# KiCad board SmartSpin2k_Panelized.kicad_pcb (continued)
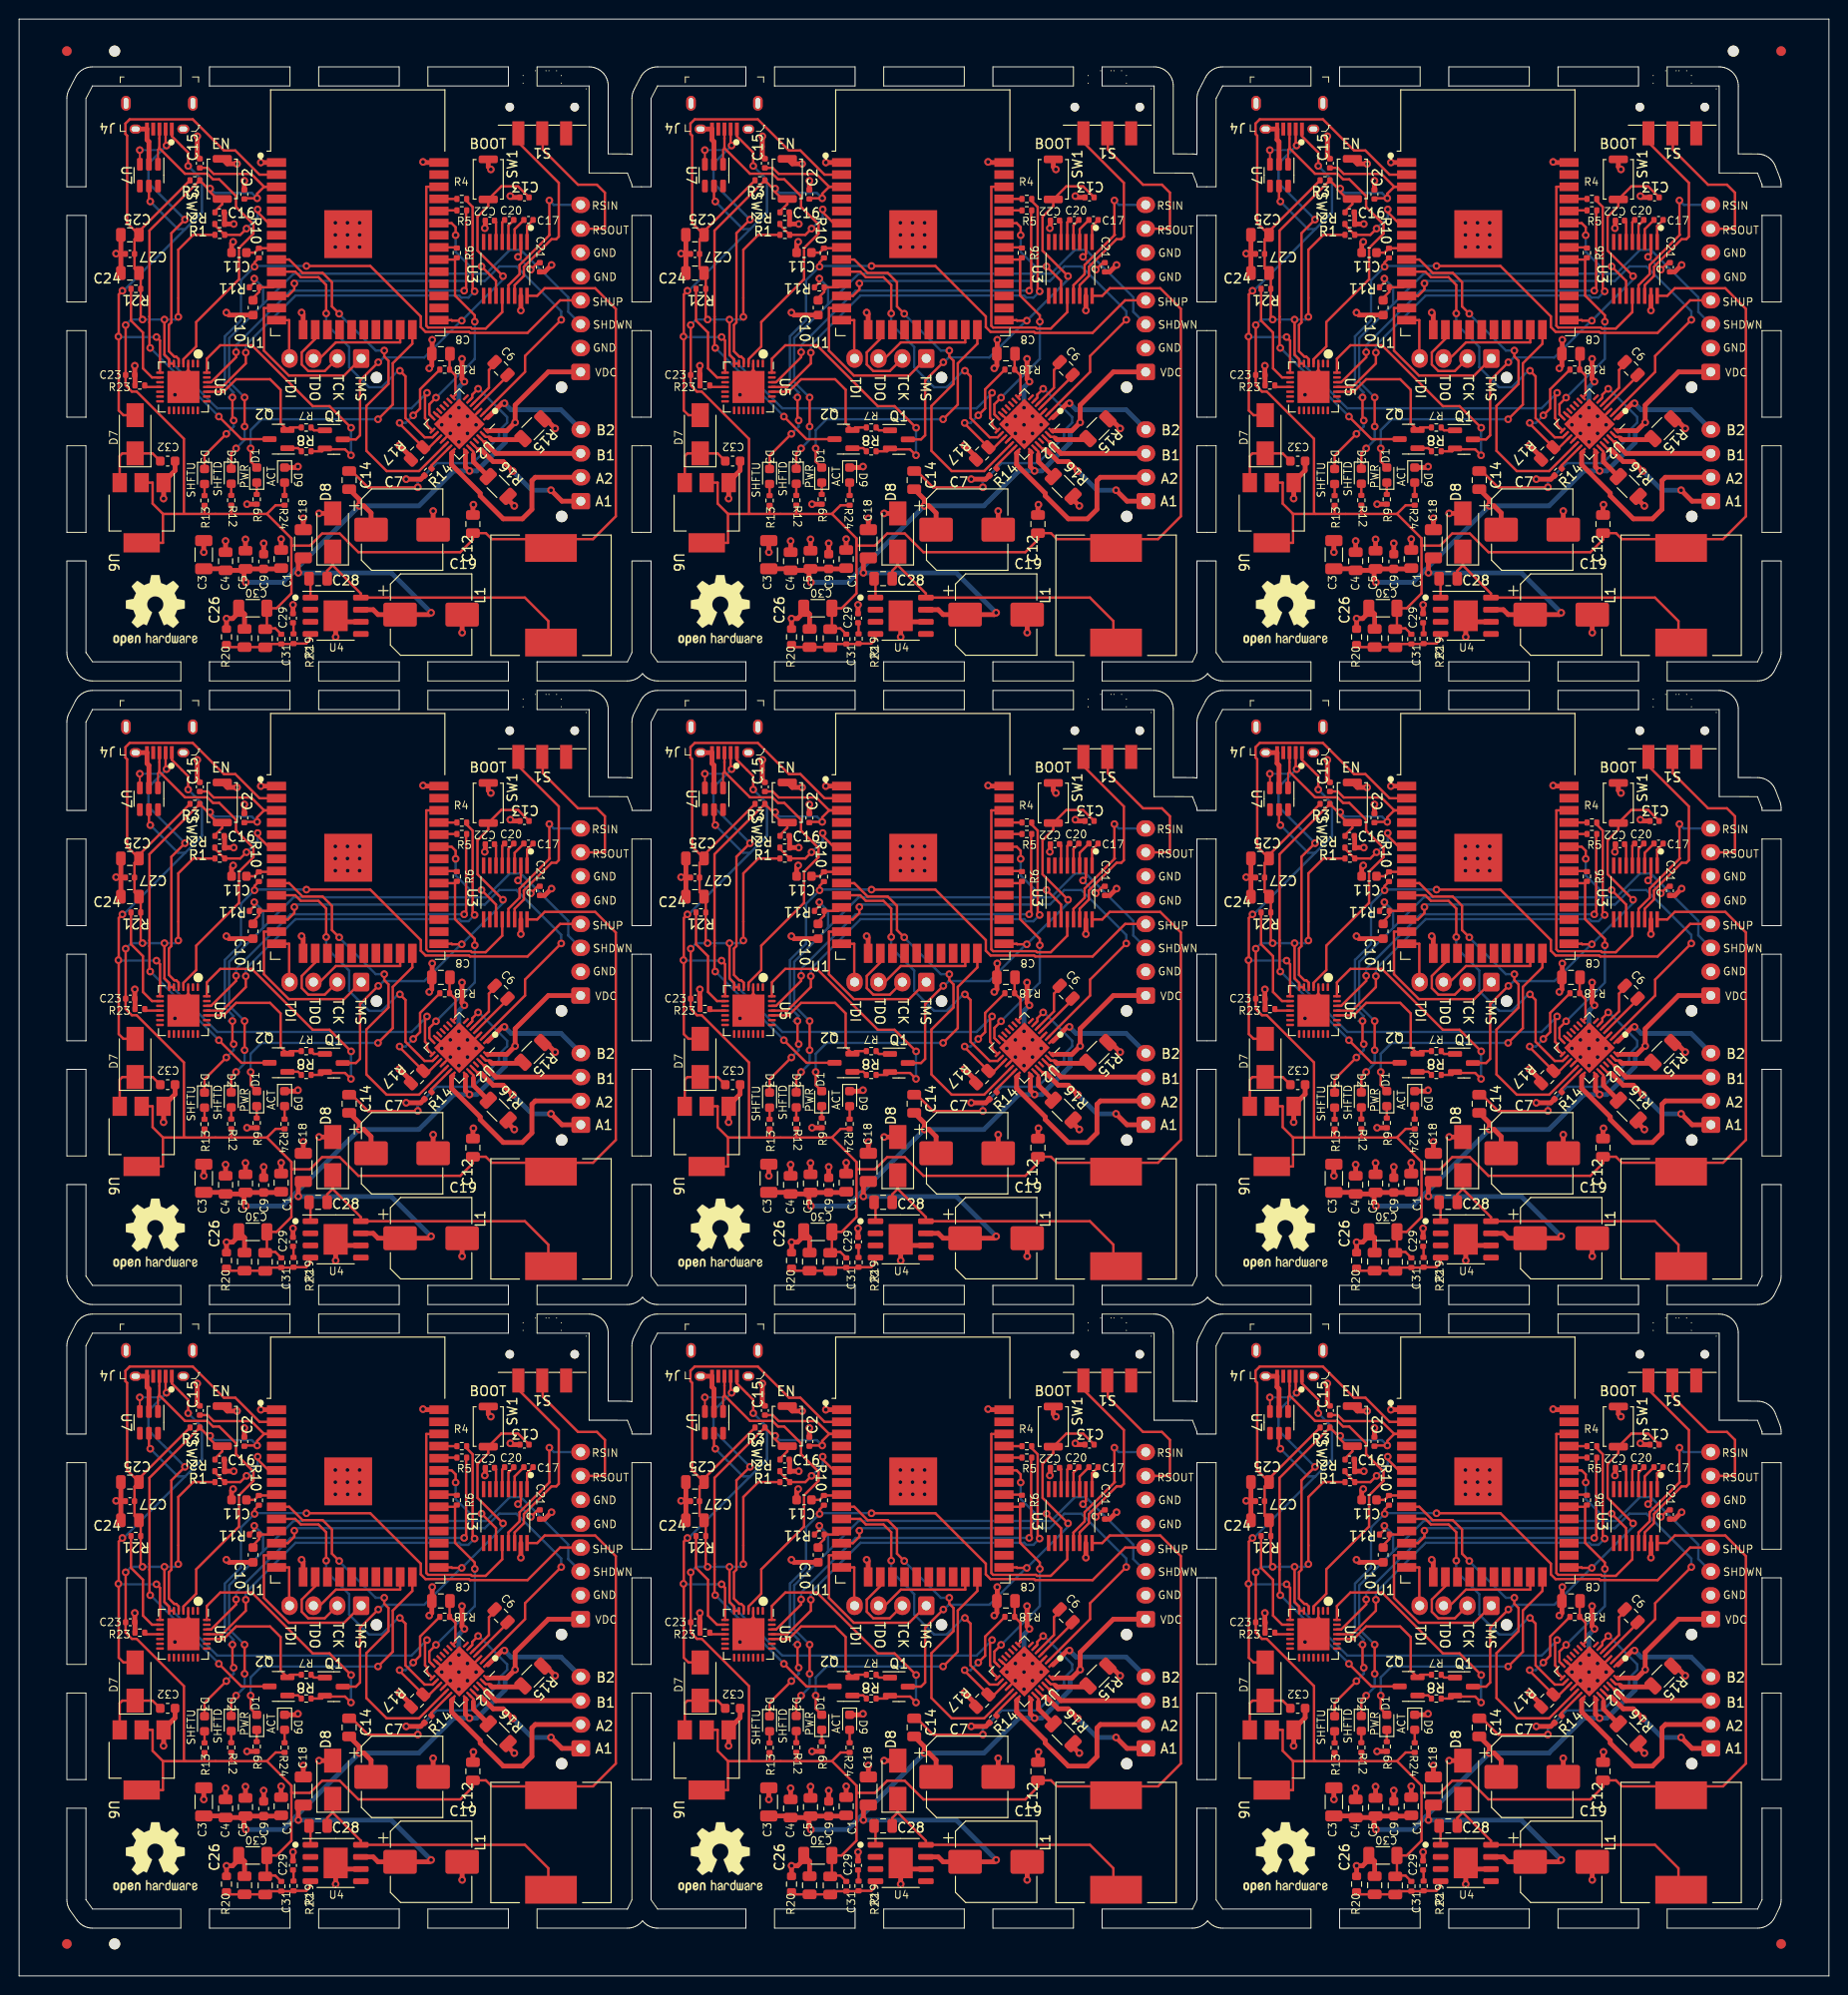
[diagram p0: board, top side]
## Nets (continued)
Board_6-/3V3: C12#7.1 C23#2.1 C24#5.2 C25#5.1 C27#3.1 C30#7.1 C31#4.2 L1#4.2 R1#9.1 R3#6.1 R12#4.2 R13#4.1 R21#7.1 R22.2 R24#8.2 U1#5.2 U2#7.15 U3#8.16 U5.6 U5.7 U6#9.2
Board_6-/5V: C8#5.1 R18#7.1 U2#7.8
Board_6-/VBUS: D7#2.2 J4#6.1 U5.8 U7#7.5
Board_7-/3V3: C12.1 C23.1 C24.2 C25#9.1 C27#9.1 C30#8.1 C31#9.2 L1#8.2 R1#5.1 R3#7.1 R12#7.2 R13#3.1 R21#9.1 R22#7.2 R24#2.2 U1#9.2 U2#9.15 U3.16 U5#4.6 U5#4.7 U6#4.2
Board_7-/5V: C8#7.1 R18#8.1 U2#9.8
Board_7-/VBUS: D7#7.2 J4.1 U5#4.8 U7#8.5
Board_8-/3V3: C12#3.1 C23#5.1 C24#2.2 C25#6.1 C27#5.1 C30#6.1 C31#6.2 L1#7.2 R1#7.1 R3#8.1 R12#9.2 R13.1 R21#4.1 R22#4.2 R24#3.2 U1#6.2 U2#4.15 U3#2.16 U5#5.6 U5#5.7 U6#7.2
Board_8-/5V: C8#4.1 R18#6.1 U2#4.8
Board_8-/VBUS: D7#3.2 J4#7.1 U5#5.8 U7.5
Board_0-/A1: J1.1 U2#2.24
Board_0-/A2: J1.2 U2#2.21
Board_0-/B1: J1.3 U2#2.26
Board_0-/B2: J1.4 U2#2.1
Board_0-/BRA: R16#7.2 U2#2.23
Board_0-/BRB: R15#7.2 U2#2.27
Board_0-/D+: J4#9.3 U5#8.4 U7#4.1
Board_0-/D-: J4#9.2 U5#8.5 U7#4.3
Board_0-/DriverDIR: U1#2.9 U2#2.19
Board_0-/DriverEN: U1#2.12 U2#2.2
Board_0-/DriverSTEP: U1#2.10 U2#2.16
Board_0-/DTR: Q1#3.2 R8#3.1 U5#8.28
Board_0-/EN: C2#8.1 C15#4.1 C16#9.1 Q2.3 R3#4.2 SW2#7.2 U1#2.3
Board_0-/IO0_BOOT: C13.1 Q1#3.3 SW1#5.1 U1#2.25
Board_0-/R1OUT: U1#2.36 U3#9.12
Board_0-/REG_5V: C32#4.2 D7.1 U6#3.3
Board_0-/RS232IN1: J3#2.8 U3#9.13
Board_0-/RS232OUT1: J3#2.7 S1#9.2
Board_0-/RTS: Q2.2 R7#7.2 U5#8.24
Board_0-/RXD0: R5.2 U5#8.26
Board_0-/ShiftDown: D2#2.1 J3#2.3 R11#4.2
Board_0-/ShiftUp: D3#3.1 J3#2.4 R10#6.2
Board_0-/T1IN: U1#2.33 U3#9.11
Board_0-/TMCUART1: R6#2.1 U1#2.30 U2#2.14
Board_0-/TMCUART2: R6#2.2 U1#2.31
Board_0-/TXD0: R4.2 U5#8.25
Board_0-/VDC: C1#5.1 C3#8.1 C4#8.1 C5#5.1 C7#5.1 C9#8.1 C14#4.1 C18#4.1 C19#4.1 J3#2.1 U2#2.22 U2#2.28 U4#9.7
Board_0-GND: C1#5.2 C2#8.2 C3#8.2 C4#8.2 C5#5.2 C7#5.2 C8#6.2 C9#8.2 C10#5.2 C11#7.2 C12#8.2 C13.2 C15#4.2 C16#9.2 C18#4.2 C19#4.2 C21#9.2 C22#7.2 C23#8.2 C24#7.1 C25#2.2 C26#7.2 C27.2 C29#7.2 C30#9.2 C32#4.1 D8.2 D9#6.1 J3#2.2 J3#2.5 J3#2.6 J4#9.5 J4#9.SH R2#9.1 R9#9.1 R14.1 R15#7.1 R16#7.1 R17#5.2 R20#2.2 R23#3.1 SW1#5.2 SW2#7.1 U1#2.1 U1#2.15 U1#2.38 U1#2.39 U2#2.3 U2#2.13 U2#2.18 U2#2.29 U3#9.15 U4#9.6 U4#9.9 U5#8.3 U5#8.29 U6#3.1 U7#4.2
Board_0-Net-(C6-Pad1): C6#4.1 U2#2.5
Board_0-Net-(C6-Pad2): C6#4.2 U2#2.4
Board_0-Net-(C10-Pad1): C10#5.1 R11#4.1 U1#2.11
Board_0-Net-(C11-Pad1): C11#7.1 R10#6.1 U1#2.8
Board_0-Net-(C14-Pad2): C14#4.2 U2#2.6
Board_0-Net-(C17-Pad1): C17#6.1 U3#9.3
Board_0-Net-(C17-Pad2): C17#6.2 U3#9.1
Board_0-Net-(C20-Pad1): C20#7.1 U3#9.5
Board_0-Net-(C20-Pad2): C20#7.2 U3#9.4
Board_0-Net-(C21-Pad1): C21#9.1 U3#9.2
Board_0-Net-(C22-Pad1): C22#7.1 U3#9.6
Board_0-Net-(C26-Pad1): C26#7.1 C31#8.1 R19#2.1 R20#2.1 R22#9.1 U4#9.4
Board_0-Net-(C28-Pad1): C28#7.1 U4#9.1
Board_0-Net-(C28-Pad2): C28#7.2 D8.1 L1#2.1 U4#9.8
Board_0-Net-(C29-Pad1): C29#7.1 R19#2.2
Board_0-Net-(D1-Pad1): D1#8.1 R9#9.2
Board_0-Net-(D1-Pad2): D1#8.2 U1#2.24
Board_0-Net-(D2-Pad2): D2#2.2 R12.1
Board_0-Net-(D3-Pad2): D3#3.2 R13#2.2
Board_0-Net-(D9-Pad2): D9#6.2 R24#4.1
Board_0-Net-(J2-Pad1): J2#7.1 U1#2.13
Board_0-Net-(J2-Pad2): J2#7.2 U1#2.16
Board_0-Net-(J2-Pad3): J2#7.3 U1#2.23
Board_0-Net-(J2-Pad4): J2#7.4 U1#2.14
Board_0-Net-(Q1-Pad1): Q1#3.1 R7#7.1
Board_0-Net-(Q2-Pad1): Q2.1 R8#3.2
Board_0-Net-(R1-Pad2): R1#2.2 R2#9.2 U1#2.6
Board_0-Net-(R4-Pad1): R4.1 U1#2.35
Board_0-Net-(R5-Pad1): R5.1 U1#2.34
Board_0-Net-(R14-Pad2): R14.2 U2#2.20
Board_0-Net-(R17-Pad1): R17#5.1 R18#9.2 U2#2.17
Board_0-Net-(R21-Pad2): R21.2 U5#8.9
Board_0-Net-(R23-Pad2): R23#3.2 U5#8.11
Board_0-Net-(S1-Pad3): S1#9.3 U3#9.14
Board_0-unconnected-(J4-Pad4): J4#9.4
Board_0-unconnected-(S1-Pad1): S1#9.1
Board_0-unconnected-(U1-Pad4): U1#2.4
Board_0-unconnected-(U1-Pad5): U1#2.5
Board_0-unconnected-(U1-Pad7): U1#2.7
Board_0-unconnected-(U1-Pad17): U1#2.17
Board_0-unconnected-(U1-Pad18): U1#2.18
Board_0-unconnected-(U1-Pad19): U1#2.19
Board_0-unconnected-(U1-Pad20): U1#2.20
Board_0-unconnected-(U1-Pad21): U1#2.21
Board_0-unconnected-(U1-Pad22): U1#2.22
Board_0-unconnected-(U1-Pad26): U1#2.26
Board_0-unconnected-(U1-Pad27): U1#2.27
Board_0-unconnected-(U1-Pad28): U1#2.28
Board_0-unconnected-(U1-Pad29): U1#2.29
Board_0-unconnected-(U1-Pad32): U1#2.32
Board_0-unconnected-(U1-Pad37): U1#2.37
Board_0-unconnected-(U2-Pad7): U2#2.7
Board_0-unconnected-(U2-Pad9): U2#2.9
Board_0-unconnected-(U2-Pad10): U2#2.10
Board_0-unconnected-(U2-Pad11): U2#2.11
Board_0-unconnected-(U2-Pad12): U2#2.12
Board_0-unconnected-(U2-Pad25): U2#2.25
Board_0-unconnected-(U3-Pad7): U3#9.7
Board_0-unconnected-(U3-Pad8): U3#9.8
Board_0-unconnected-(U3-Pad9): U3#9.9
Board_0-unconnected-(U3-Pad10): U3#9.10
Board_0-unconnected-(U4-Pad2): U4#9.2
Board_0-unconnected-(U4-Pad3): U4#9.3
Board_0-unconnected-(U4-Pad5): U4#9.5
Board_0-unconnected-(U5-Pad1): U5#8.1
Board_0-unconnected-(U5-Pad2): U5#8.2
Board_0-unconnected-(U5-Pad10): U5#8.10
Board_0-unconnected-(U5-Pad12): U5#8.12
Board_0-unconnected-(U5-Pad13): U5#8.13
Board_0-unconnected-(U5-Pad14): U5#8.14
Board_0-unconnected-(U5-Pad15): U5#8.15
Board_0-unconnected-(U5-Pad16): U5#8.16
Board_0-unconnected-(U5-Pad17): U5#8.17
Board_0-unconnected-(U5-Pad18): U5#8.18
Board_0-unconnected-(U5-Pad19): U5#8.19
Board_0-unconnected-(U5-Pad20): U5#8.20
Board_0-unconnected-(U5-Pad21): U5#8.21
Board_0-unconnected-(U5-Pad22): U5#8.22
Board_0-unconnected-(U5-Pad23): U5#8.23
Board_0-unconnected-(U5-Pad27): U5#8.27
Board_0-unconnected-(U7-Pad4): U7#4.4
Board_0-unconnected-(U7-Pad6): U7#4.6
Board_1-/A1: J1#5.1 U2#8.24
Board_1-/A2: J1#5.2 U2#8.21
Board_1-/B1: J1#5.3 U2#8.26
Board_1-/B2: J1#5.4 U2#8.1
Board_1-/BRA: R16#8.2 U2#8.23
Board_1-/BRB: R15.2 U2#8.27
Board_1-/D+: J4#2.3 U5#7.4 U7#3.1
Board_1-/D-: J4#2.2 U5#7.5 U7#3.3
Board_1-/DriverDIR: U1#8.9 U2#8.19
Board_1-/DriverEN: U1#8.12 U2#8.2
Board_1-/DriverSTEP: U1#8.10 U2#8.16
Board_1-/DTR: Q1#7.2 R8#4.1 U5#7.28
Board_1-/EN: C2#3.1 C15#7.1 C16#3.1 Q2#6.3 R3#5.2 SW2#5.2 U1#8.3
Board_1-/IO0_BOOT: C13#6.1 Q1#7.3 SW1#3.1 U1#8.25
Board_1-/R1OUT: U1#8.36 U3#6.12
Board_1-/REG_5V: C32#2.2 D7#8.1 U6#2.3
Board_1-/RS232IN1: J3.8 U3#6.13
Board_1-/RS232OUT1: J3.7 S1#4.2
Board_1-/RTS: Q2#6.2 R7#2.2 U5#7.24
Board_1-/RXD0: R5#4.2 U5#7.26
Board_1-/ShiftDown: D2#9.1 J3.3 R11#2.2
Board_1-/ShiftUp: D3#9.1 J3.4 R10#8.2
Board_1-/T1IN: U1#8.33 U3#6.11
Board_1-/TMCUART1: R6.1 U1#8.30 U2#8.14
Board_1-/TMCUART2: R6.2 U1#8.31
Board_1-/TXD0: R4#2.2 U5#7.25
Board_1-/VDC: C1.1 C3#4.1 C4#5.1 C5.1 C7#7.1 C9#6.1 C14#9.1 C18.1 C19#9.1 J3.1 U2#8.22 U2#8.28 U4.7
Board_1-GND: C1.2 C2#3.2 C3#4.2 C4#5.2 C5.2 C7#7.2 C8#8.2 C9#6.2 C10.2 C11#2.2 C12#4.2 C13#6.2 C15#7.2 C16#3.2 C18.2 C19#9.2 C21#7.2 C22#3.2 C23#9.2 C24#8.1 C25#4.2 C26#9.2 C27#7.2 C29#2.2 C30#5.2 C32#2.1 D8#3.2 D9#4.1 J3.2 J3.5 J3.6 J4#2.5 J4#2.SH R2#6.1 R9.1 R14#7.1 R15.1 R16#8.1 R17#4.2 R20#6.2 R23#5.1 SW1#3.2 SW2#5.1 U1#8.1 U1#8.15 U1#8.38 U1#8.39 U2#8.3 U2#8.13 U2#8.18 U2#8.29 U3#6.15 U4.6 U4.9 U5#7.3 U5#7.29 U6#2.1 U7#3.2
Board_1-Net-(C6-Pad1): C6#6.1 U2#8.5
Board_1-Net-(C6-Pad2): C6#6.2 U2#8.4
Board_1-Net-(C10-Pad1): C10.1 R11#2.1 U1#8.11
Board_1-Net-(C11-Pad1): C11#2.1 R10#8.1 U1#8.8
Board_1-Net-(C14-Pad2): C14#9.2 U2#8.6
Board_1-Net-(C17-Pad1): C17#4.1 U3#6.3
Board_1-Net-(C17-Pad2): C17#4.2 U3#6.1
Board_1-Net-(C20-Pad1): C20#8.1 U3#6.5
Board_1-Net-(C20-Pad2): C20#8.2 U3#6.4
Board_1-Net-(C21-Pad1): C21#7.1 U3#6.2
Board_1-Net-(C22-Pad1): C22#3.1 U3#6.6
Board_1-Net-(C26-Pad1): C26#9.1 C31#3.1 R19#5.1 R20#6.1 R22#5.1 U4.4
Board_1-Net-(C28-Pad1): C28#2.1 U4.1
Board_1-Net-(C28-Pad2): C28#2.2 D8#3.1 L1#5.1 U4.8
Board_1-Net-(C29-Pad1): C29#2.1 R19#5.2
Board_1-Net-(D1-Pad1): D1#2.1 R9.2
Board_1-Net-(D1-Pad2): D1#2.2 U1#8.24
Board_1-Net-(D2-Pad2): D2#9.2 R12#2.1
Board_1-Net-(D3-Pad2): D3#9.2 R13#8.2
Board_1-Net-(D9-Pad2): D9#4.2 R24.1
Board_1-Net-(J2-Pad1): J2#2.1 U1#8.13
Board_1-Net-(J2-Pad2): J2#2.2 U1#8.16
Board_1-Net-(J2-Pad3): J2#2.3 U1#8.23
Board_1-Net-(J2-Pad4): J2#2.4 U1#8.14
Board_1-Net-(Q1-Pad1): Q1#7.1 R7#2.1
Board_1-Net-(Q2-Pad1): Q2#6.1 R8#4.2
Board_1-Net-(R1-Pad2): R1#4.2 R2#6.2 U1#8.6
Board_1-Net-(R4-Pad1): R4#2.1 U1#8.35
Board_1-Net-(R5-Pad1): R5#4.1 U1#8.34
Board_1-Net-(R14-Pad2): R14#7.2 U2#8.20
Board_1-Net-(R17-Pad1): R17#4.1 R18.2 U2#8.17
Board_1-Net-(R21-Pad2): R21#2.2 U5#7.9
Board_1-Net-(R23-Pad2): R23#5.2 U5#7.11
Board_1-Net-(S1-Pad3): S1#4.3 U3#6.14
Board_1-unconnected-(J4-Pad4): J4#2.4
Board_1-unconnected-(S1-Pad1): S1#4.1
Board_1-unconnected-(U1-Pad4): U1#8.4
Board_1-unconnected-(U1-Pad5): U1#8.5
Board_1-unconnected-(U1-Pad7): U1#8.7
Board_1-unconnected-(U1-Pad17): U1#8.17
Board_1-unconnected-(U1-Pad18): U1#8.18
Board_1-unconnected-(U1-Pad19): U1#8.19
Board_1-unconnected-(U1-Pad20): U1#8.20
Board_1-unconnected-(U1-Pad21): U1#8.21
Board_1-unconnected-(U1-Pad22): U1#8.22
Board_1-unconnected-(U1-Pad26): U1#8.26
Board_1-unconnected-(U1-Pad27): U1#8.27
Board_1-unconnected-(U1-Pad28): U1#8.28
Board_1-unconnected-(U1-Pad29): U1#8.29
Board_1-unconnected-(U1-Pad32): U1#8.32
Board_1-unconnected-(U1-Pad37): U1#8.37
Board_1-unconnected-(U2-Pad7): U2#8.7
Board_1-unconnected-(U2-Pad9): U2#8.9
Board_1-unconnected-(U2-Pad10): U2#8.10
Board_1-unconnected-(U2-Pad11): U2#8.11
Board_1-unconnected-(U2-Pad12): U2#8.12
Board_1-unconnected-(U2-Pad25): U2#8.25
Board_1-unconnected-(U3-Pad7): U3#6.7
Board_1-unconnected-(U3-Pad8): U3#6.8
Board_1-unconnected-(U3-Pad9): U3#6.9
Board_1-unconnected-(U3-Pad10): U3#6.10
Board_1-unconnected-(U4-Pad2): U4.2
Board_1-unconnected-(U4-Pad3): U4.3
Board_1-unconnected-(U4-Pad5): U4.5
Board_1-unconnected-(U5-Pad1): U5#7.1
Board_1-unconnected-(U5-Pad2): U5#7.2
Board_1-unconnected-(U5-Pad10): U5#7.10
Board_1-unconnected-(U5-Pad12): U5#7.12
Board_1-unconnected-(U5-Pad13): U5#7.13
Board_1-unconnected-(U5-Pad14): U5#7.14
Board_1-unconnected-(U5-Pad15): U5#7.15
Board_1-unconnected-(U5-Pad16): U5#7.16
Board_1-unconnected-(U5-Pad17): U5#7.17
Board_1-unconnected-(U5-Pad18): U5#7.18
Board_1-unconnected-(U5-Pad19): U5#7.19
Board_1-unconnected-(U5-Pad20): U5#7.20
Board_1-unconnected-(U5-Pad21): U5#7.21
Board_1-unconnected-(U5-Pad22): U5#7.22
Board_1-unconnected-(U5-Pad23): U5#7.23
Board_1-unconnected-(U5-Pad27): U5#7.27
Board_1-unconnected-(U7-Pad4): U7#3.4
Board_1-unconnected-(U7-Pad6): U7#3.6
Board_2-/A1: J1#6.1 U2.24
Board_2-/A2: J1#6.2 U2.21
Board_2-/B1: J1#6.3 U2.26
Board_2-/B2: J1#6.4 U2.1
Board_2-/BRA: R16#5.2 U2.23
Board_2-/BRB: R15#9.2 U2.27
Board_2-/D+: J4#4.3 U5#6.4 U7#9.1
Board_2-/D-: J4#4.2 U5#6.5 U7#9.3
Board_2-/DriverDIR: U1.9 U2.19
Board_2-/DriverEN: U1.12 U2.2
Board_2-/DriverSTEP: U1.10 U2.16
Board_2-/DTR: Q1.2 R8#8.1 U5#6.28
Board_2-/EN: C2#9.1 C15#8.1 C16#5.1 Q2#9.3 R3#3.2 SW2#4.2 U1.3
Board_2-/IO0_BOOT: C13#3.1 Q1.3 SW1#4.1 U1.25
Board_2-/R1OUT: U1.36 U3#7.12
Board_2-/REG_5V: C32#9.2 D7#6.1 U6#6.3
Board_2-/RS232IN1: J3#8.8 U3#7.13
Board_2-/RS232OUT1: J3#8.7 S1#3.2
Board_2-/RTS: Q2#9.2 R7#3.2 U5#6.24
Board_2-/RXD0: R5#9.2 U5#6.26
Board_2-/ShiftDown: D2#6.1 J3#8.3 R11#6.2
Board_2-/ShiftUp: D3.1 J3#8.4 R10#7.2
Board_2-/T1IN: U1.33 U3#7.11
Board_2-/TMCUART1: R6#9.1 U1.30 U2.14
Board_2-/TMCUART2: R6#9.2 U1.31
Board_2-/TXD0: R4#6.2 U5#6.25
Board_2-/VDC: C1#2.1 C3#9.1 C4#6.1 C5#6.1 C7#3.1 C9#3.1 C14.1 C18#6.1 C19#8.1 J3#8.1 U2.22 U2.28 U4#2.7
Board_2-GND: C1#2.2 C2#9.2 C3#9.2 C4#6.2 C5#6.2 C7#3.2 C8#9.2 C9#3.2 C10#9.2 C11#8.2 C12#9.2 C13#3.2 C15#8.2 C16#5.2 C18#6.2 C19#8.2 C21#6.2 C22#9.2 C23#6.2 C24#4.1 C25#8.2 C26#4.2 C27#6.2 C29.2 C30#2.2 C32#9.1 D8#7.2 D9#3.1 J3#8.2 J3#8.5 J3#8.6 J4#4.5 J4#4.SH R2#3.1 R9#4.1 R14#9.1 R15#9.1 R16#5.1 R17.2 R20#5.2 R23#6.1 SW1#4.2 SW2#4.1 U1.1 U1.15 U1.38 U1.39 U2.3 U2.13 U2.18 U2.29 U3#7.15 U4#2.6 U4#2.9 U5#6.3 U5#6.29 U6#6.1 U7#9.2
Board_2-Net-(C6-Pad1): C6#2.1 U2.5
Board_2-Net-(C6-Pad2): C6#2.2 U2.4
Board_2-Net-(C10-Pad1): C10#9.1 R11#6.1 U1.11
Board_2-Net-(C11-Pad1): C11#8.1 R10#7.1 U1.8
Board_2-Net-(C14-Pad2): C14.2 U2.6
Board_2-Net-(C17-Pad1): C17#3.1 U3#7.3
Board_2-Net-(C17-Pad2): C17#3.2 U3#7.1
Board_2-Net-(C20-Pad1): C20#2.1 U3#7.5
Board_2-Net-(C20-Pad2): C20#2.2 U3#7.4
Board_2-Net-(C21-Pad1): C21#6.1 U3#7.2
Board_2-Net-(C22-Pad1): C22#9.1 U3#7.6
Board_2-Net-(C26-Pad1): C26#4.1 C31#5.1 R19#3.1 R20#5.1 R22#2.1 U4#2.4
Board_2-Net-(C28-Pad1): C28#5.1 U4#2.1
Board_2-Net-(C28-Pad2): C28#5.2 D8#7.1 L1.1 U4#2.8
Board_2-Net-(C29-Pad1): C29.1 R19#3.2
Board_2-Net-(D1-Pad1): D1#3.1 R9#4.2
Board_2-Net-(D1-Pad2): D1#3.2 U1.24
Board_2-Net-(D2-Pad2): D2#6.2 R12#5.1
Board_2-Net-(D3-Pad2): D3.2 R13#6.2
Board_2-Net-(D9-Pad2): D9#3.2 R24#5.1
Board_2-Net-(J2-Pad1): J2#9.1 U1.13
Board_2-Net-(J2-Pad2): J2#9.2 U1.16
Board_2-Net-(J2-Pad3): J2#9.3 U1.23
Board_2-Net-(J2-Pad4): J2#9.4 U1.14
Board_2-Net-(Q1-Pad1): Q1.1 R7#3.1
Board_2-Net-(Q2-Pad1): Q2#9.1 R8#8.2
Board_2-Net-(R1-Pad2): R1#8.2 R2#3.2 U1.6
Board_2-Net-(R4-Pad1): R4#6.1 U1.35
Board_2-Net-(R5-Pad1): R5#9.1 U1.34
Board_2-Net-(R14-Pad2): R14#9.2 U2.20
Board_2-Net-(R17-Pad1): R17.1 R18#4.2 U2.17
Board_2-Net-(R21-Pad2): R21#5.2 U5#6.9
Board_2-Net-(R23-Pad2): R23#6.2 U5#6.11
Board_2-Net-(S1-Pad3): S1#3.3 U3#7.14
Board_2-unconnected-(J4-Pad4): J4#4.4
Board_2-unconnected-(S1-Pad1): S1#3.1
Board_2-unconnected-(U1-Pad4): U1.4
Board_2-unconnected-(U1-Pad5): U1.5
Board_2-unconnected-(U1-Pad7): U1.7
Board_2-unconnected-(U1-Pad17): U1.17
Board_2-unconnected-(U1-Pad18): U1.18
Board_2-unconnected-(U1-Pad19): U1.19
Board_2-unconnected-(U1-Pad20): U1.20
Board_2-unconnected-(U1-Pad21): U1.21
Board_2-unconnected-(U1-Pad22): U1.22
Board_2-unconnected-(U1-Pad26): U1.26
Board_2-unconnected-(U1-Pad27): U1.27
Board_2-unconnected-(U1-Pad28): U1.28
Board_2-unconnected-(U1-Pad29): U1.29
Board_2-unconnected-(U1-Pad32): U1.32
Board_2-unconnected-(U1-Pad37): U1.37
Board_2-unconnected-(U2-Pad7): U2.7
Board_2-unconnected-(U2-Pad9): U2.9
Board_2-unconnected-(U2-Pad10): U2.10
Board_2-unconnected-(U2-Pad11): U2.11
Board_2-unconnected-(U2-Pad12): U2.12
Board_2-unconnected-(U2-Pad25): U2.25
Board_2-unconnected-(U3-Pad7): U3#7.7
Board_2-unconnected-(U3-Pad8): U3#7.8
Board_2-unconnected-(U3-Pad9): U3#7.9
Board_2-unconnected-(U3-Pad10): U3#7.10
Board_2-unconnected-(U4-Pad2): U4#2.2
Board_2-unconnected-(U4-Pad3): U4#2.3
Board_2-unconnected-(U4-Pad5): U4#2.5
Board_2-unconnected-(U5-Pad1): U5#6.1
Board_2-unconnected-(U5-Pad2): U5#6.2
Board_2-unconnected-(U5-Pad10): U5#6.10
Board_2-unconnected-(U5-Pad12): U5#6.12
Board_2-unconnected-(U5-Pad13): U5#6.13
Board_2-unconnected-(U5-Pad14): U5#6.14
Board_2-unconnected-(U5-Pad15): U5#6.15
Board_2-unconnected-(U5-Pad16): U5#6.16
Board_2-unconnected-(U5-Pad17): U5#6.17
Board_2-unconnected-(U5-Pad18): U5#6.18
Board_2-unconnected-(U5-Pad19): U5#6.19
Board_2-unconnected-(U5-Pad20): U5#6.20
Board_2-unconnected-(U5-Pad21): U5#6.21
Board_2-unconnected-(U5-Pad22): U5#6.22
Board_2-unconnected-(U5-Pad23): U5#6.23
Board_2-unconnected-(U5-Pad27): U5#6.27
Board_2-unconnected-(U7-Pad4): U7#9.4
Board_2-unconnected-(U7-Pad6): U7#9.6
Board_3-/A1: J1#9.1 U2#3.24
Board_3-/A2: J1#9.2 U2#3.21
Board_3-/B1: J1#9.3 U2#3.26
Board_3-/B2: J1#9.4 U2#3.1
Board_3-/BRA: R16#2.2 U2#3.23
Board_3-/BRB: R15#2.2 U2#3.27
Board_3-/D+: J4#3.3 U5#3.4 U7#2.1
Board_3-/D-: J4#3.2 U5#3.5 U7#2.3
Board_3-/DriverDIR: U1#4.9 U2#3.19
Board_3-/DriverEN: U1#4.12 U2#3.2
Board_3-/DriverSTEP: U1#4.10 U2#3.16
Board_3-/DTR: Q1#4.2 R8#5.1 U5#3.28
Board_3-/EN: C2#7.1 C15#3.1 C16#4.1 Q2#2.3 R3#2.2 SW2#2.2 U1#4.3
Board_3-/IO0_BOOT: C13#5.1 Q1#4.3 SW1#2.1 U1#4.25
Board_3-/R1OUT: U1#4.36 U3#3.12
Board_3-/REG_5V: C32#3.2 D7#5.1 U6#8.3
Board_3-/RS232IN1: J3#9.8 U3#3.13
Board_3-/RS232OUT1: J3#9.7 S1.2
Board_3-/RTS: Q2#2.2 R7.2 U5#3.24
Board_3-/RXD0: R5#6.2 U5#3.26
Board_3-/ShiftDown: D2#7.1 J3#9.3 R11#3.2
Board_3-/ShiftUp: D3#5.1 J3#9.4 R10#2.2
Board_3-/T1IN: U1#4.33 U3#3.11
Board_3-/TMCUART1: R6#5.1 U1#4.30 U2#3.14
Board_3-/TMCUART2: R6#5.2 U1#4.31
Board_3-/TXD0: R4#3.2 U5#3.25
Board_3-/VDC: C1#3.1 C3#6.1 C4#7.1 C5#7.1 C7#8.1 C9#9.1 C14#3.1 C18#5.1 C19#5.1 J3#9.1 U2#3.22 U2#3.28 U4#6.7
Board_3-GND: C1#3.2 C2#7.2 C3#6.2 C4#7.2 C5#7.2 C7#8.2 C8.2 C9#9.2 C10#4.2 C11#9.2 C12#5.2 C13#5.2 C15#3.2 C16#4.2 C18#5.2 C19#5.2 C21#2.2 C22#6.2 C23#4.2 C24#9.1 C25#3.2 C26.2 C27#2.2 C29#4.2 C30.2 C32#3.1 D8#8.2 D9.1 J3#9.2 J3#9.5 J3#9.6 J4#3.5 J4#3.SH R2.1 R9#2.1 R14#3.1 R15#2.1 R16#2.1 R17#2.2 R20#3.2 R23#4.1 SW1#2.2 SW2#2.1 U1#4.1 U1#4.15 U1#4.38 U1#4.39 U2#3.3 U2#3.13 U2#3.18 U2#3.29 U3#3.15 U4#6.6 U4#6.9 U5#3.3 U5#3.29 U6#8.1 U7#2.2
Board_3-Net-(C6-Pad1): C6.1 U2#3.5
Board_3-Net-(C6-Pad2): C6.2 U2#3.4
Board_3-Net-(C10-Pad1): C10#4.1 R11#3.1 U1#4.11
Board_3-Net-(C11-Pad1): C11#9.1 R10#2.1 U1#4.8
Board_3-Net-(C14-Pad2): C14#3.2 U2#3.6
Board_3-Net-(C17-Pad1): C17.1 U3#3.3
Board_3-Net-(C17-Pad2): C17.2 U3#3.1
Board_3-Net-(C20-Pad1): C20.1 U3#3.5
Board_3-Net-(C20-Pad2): C20.2 U3#3.4
Board_3-Net-(C21-Pad1): C21#2.1 U3#3.2
Board_3-Net-(C22-Pad1): C22#6.1 U3#3.6
Board_3-Net-(C26-Pad1): C26.1 C31#2.1 R19#4.1 R20#3.1 R22#3.1 U4#6.4
Board_3-Net-(C28-Pad1): C28#3.1 U4#6.1
Board_3-Net-(C28-Pad2): C28#3.2 D8#8.1 L1#3.1 U4#6.8
Board_3-Net-(C29-Pad1): C29#4.1 R19#4.2
Board_3-Net-(D1-Pad1): D1#7.1 R9#2.2
Board_3-Net-(D1-Pad2): D1#7.2 U1#4.24
Board_3-Net-(D2-Pad2): D2#7.2 R12#8.1
Board_3-Net-(D3-Pad2): D3#5.2 R13#5.2
Board_3-Net-(D9-Pad2): D9.2 R24#6.1
Board_3-Net-(J2-Pad1): J2#4.1 U1#4.13
Board_3-Net-(J2-Pad2): J2#4.2 U1#4.16
Board_3-Net-(J2-Pad3): J2#4.3 U1#4.23
Board_3-Net-(J2-Pad4): J2#4.4 U1#4.14
Board_3-Net-(Q1-Pad1): Q1#4.1 R7.1
Board_3-Net-(Q2-Pad1): Q2#2.1 R8#5.2
Board_3-Net-(R1-Pad2): R1#3.2 R2.2 U1#4.6
Board_3-Net-(R4-Pad1): R4#3.1 U1#4.35
Board_3-Net-(R5-Pad1): R5#6.1 U1#4.34
Board_3-Net-(R14-Pad2): R14#3.2 U2#3.20
Board_3-Net-(R17-Pad1): R17#2.1 R18#3.2 U2#3.17
Board_3-Net-(R21-Pad2): R21#8.2 U5#3.9
Board_3-Net-(R23-Pad2): R23#4.2 U5#3.11
Board_3-Net-(S1-Pad3): S1.3 U3#3.14
Board_3-unconnected-(J4-Pad4): J4#3.4
Board_3-unconnected-(S1-Pad1): S1.1
Board_3-unconnected-(U1-Pad4): U1#4.4
Board_3-unconnected-(U1-Pad5): U1#4.5
Board_3-unconnected-(U1-Pad7): U1#4.7
Board_3-unconnected-(U1-Pad17): U1#4.17
Board_3-unconnected-(U1-Pad18): U1#4.18
Board_3-unconnected-(U1-Pad19): U1#4.19
Board_3-unconnected-(U1-Pad20): U1#4.20
Board_3-unconnected-(U1-Pad21): U1#4.21
Board_3-unconnected-(U1-Pad22): U1#4.22
Board_3-unconnected-(U1-Pad26): U1#4.26
Board_3-unconnected-(U1-Pad27): U1#4.27
Board_3-unconnected-(U1-Pad28): U1#4.28
Board_3-unconnected-(U1-Pad29): U1#4.29
Board_3-unconnected-(U1-Pad32): U1#4.32
Board_3-unconnected-(U1-Pad37): U1#4.37
Board_3-unconnected-(U2-Pad7): U2#3.7
Board_3-unconnected-(U2-Pad9): U2#3.9
Board_3-unconnected-(U2-Pad10): U2#3.10
Board_3-unconnected-(U2-Pad11): U2#3.11
Board_3-unconnected-(U2-Pad12): U2#3.12
Board_3-unconnected-(U2-Pad25): U2#3.25
Board_3-unconnected-(U3-Pad7): U3#3.7
Board_3-unconnected-(U3-Pad8): U3#3.8
Board_3-unconnected-(U3-Pad9): U3#3.9
Board_3-unconnected-(U3-Pad10): U3#3.10
Board_3-unconnected-(U4-Pad2): U4#6.2
Board_3-unconnected-(U4-Pad3): U4#6.3
Board_3-unconnected-(U4-Pad5): U4#6.5
Board_3-unconnected-(U5-Pad1): U5#3.1
Board_3-unconnected-(U5-Pad2): U5#3.2
Board_3-unconnected-(U5-Pad10): U5#3.10
Board_3-unconnected-(U5-Pad12): U5#3.12
Board_3-unconnected-(U5-Pad13): U5#3.13
Board_3-unconnected-(U5-Pad14): U5#3.14
Board_3-unconnected-(U5-Pad15): U5#3.15
Board_3-unconnected-(U5-Pad16): U5#3.16
Board_3-unconnected-(U5-Pad17): U5#3.17
Board_3-unconnected-(U5-Pad18): U5#3.18
Board_3-unconnected-(U5-Pad19): U5#3.19
Board_3-unconnected-(U5-Pad20): U5#3.20
Board_3-unconnected-(U5-Pad21): U5#3.21
Board_3-unconnected-(U5-Pad22): U5#3.22
Board_3-unconnected-(U5-Pad23): U5#3.23
Board_3-unconnected-(U5-Pad27): U5#3.27
Board_3-unconnected-(U7-Pad4): U7#2.4
Board_3-unconnected-(U7-Pad6): U7#2.6
Board_4-/A1: J1#7.1 U2#6.24
Board_4-/A2: J1#7.2 U2#6.21
Board_4-/B1: J1#7.3 U2#6.26
Board_4-/B2: J1#7.4 U2#6.1
Board_4-/BRA: R16.2 U2#6.23
Board_4-/BRB: R15#6.2 U2#6.27
Board_4-/D+: J4#5.3 U5#2.4 U7#6.1
Board_4-/D-: J4#5.2 U5#2.5 U7#6.3
Board_4-/DriverDIR: U1#3.9 U2#6.19
Board_4-/DriverEN: U1#3.12 U2#6.2
Board_4-/DriverSTEP: U1#3.10 U2#6.16
Board_4-/DTR: Q1#2.2 R8.1 U5#2.28
Board_4-/EN: C2#6.1 C15#5.1 C16#8.1 Q2#5.3 R3#9.2 SW2#3.2 U1#3.3
Board_4-/IO0_BOOT: C13#2.1 Q1#2.3 SW1#7.1 U1#3.25
Board_4-/R1OUT: U1#3.36 U3#4.12
Board_4-/REG_5V: C32#7.2 D7#9.1 U6.3
Board_4-/RS232IN1: J3#7.8 U3#4.13
Board_4-/RS232OUT1: J3#7.7 S1#6.2
Board_4-/RTS: Q2#5.2 R7#9.2 U5#2.24
Board_4-/RXD0: R5#8.2 U5#2.26
Board_4-/ShiftDown: D2.1 J3#7.3 R11.2
Board_4-/ShiftUp: D3#4.1 J3#7.4 R10#5.2
Board_4-/T1IN: U1#3.33 U3#4.11
Board_4-/TMCUART1: R6#6.1 U1#3.30 U2#6.14
Board_4-/TMCUART2: R6#6.2 U1#3.31
Board_4-/TXD0: R4#9.2 U5#2.25
Board_4-/VDC: C1#6.1 C3#2.1 C4#9.1 C5#2.1 C7#9.1 C9#7.1 C14#8.1 C18#7.1 C19#2.1 J3#7.1 U2#6.22 U2#6.28 U4#4.7
Board_4-GND: C1#6.2 C2#6.2 C3#2.2 C4#9.2 C5#2.2 C7#9.2 C8#2.2 C9#7.2 C10#3.2 C11#3.2 C12#6.2 C13#2.2 C15#5.2 C16#8.2 C18#7.2 C19#2.2 C21.2 C22#5.2 C23#3.2 C24#3.1 C25.2 C26#6.2 C27#4.2 C29#9.2 C30#3.2 C32#7.1 D8#2.2 D9#5.1 J3#7.2 J3#7.5 J3#7.6 J4#5.5 J4#5.SH R2#4.1 R9#3.1 R14#5.1 R15#6.1 R16.1 R17#7.2 R20#8.2 R23#7.1 SW1#7.2 SW2#3.1 U1#3.1 U1#3.15 U1#3.38 U1#3.39 U2#6.3 U2#6.13 U2#6.18 U2#6.29 U3#4.15 U4#4.6 U4#4.9 U5#2.3 U5#2.29 U6.1 U7#6.2
Board_4-Net-(C6-Pad1): C6#9.1 U2#6.5
Board_4-Net-(C6-Pad2): C6#9.2 U2#6.4
Board_4-Net-(C10-Pad1): C10#3.1 R11.1 U1#3.11
Board_4-Net-(C11-Pad1): C11#3.1 R10#5.1 U1#3.8
Board_4-Net-(C14-Pad2): C14#8.2 U2#6.6
Board_4-Net-(C17-Pad1): C17#8.1 U3#4.3
Board_4-Net-(C17-Pad2): C17#8.2 U3#4.1
Board_4-Net-(C20-Pad1): C20#6.1 U3#4.5
Board_4-Net-(C20-Pad2): C20#6.2 U3#4.4
Board_4-Net-(C21-Pad1): C21.1 U3#4.2
Board_4-Net-(C22-Pad1): C22#5.1 U3#4.6
Board_4-Net-(C26-Pad1): C26#6.1 C31.1 R19#8.1 R20#8.1 R22#6.1 U4#4.4
Board_4-Net-(C28-Pad1): C28#6.1 U4#4.1
Board_4-Net-(C28-Pad2): C28#6.2 D8#2.1 L1#9.1 U4#4.8
Board_4-Net-(C29-Pad1): C29#9.1 R19#8.2
Board_4-Net-(D1-Pad1): D1#4.1 R9#3.2
Board_4-Net-(D1-Pad2): D1#4.2 U1#3.24
Board_4-Net-(D2-Pad2): D2.2 R12#6.1
Board_4-Net-(D3-Pad2): D3#4.2 R13#9.2
Board_4-Net-(D9-Pad2): D9#5.2 R24#7.1
Board_4-Net-(J2-Pad1): J2#8.1 U1#3.13
Board_4-Net-(J2-Pad2): J2#8.2 U1#3.16
Board_4-Net-(J2-Pad3): J2#8.3 U1#3.23
Board_4-Net-(J2-Pad4): J2#8.4 U1#3.14
Board_4-Net-(Q1-Pad1): Q1#2.1 R7#9.1
Board_4-Net-(Q2-Pad1): Q2#5.1 R8.2
Board_4-Net-(R1-Pad2): R1#6.2 R2#4.2 U1#3.6
Board_4-Net-(R4-Pad1): R4#9.1 U1#3.35
Board_4-Net-(R5-Pad1): R5#8.1 U1#3.34
Board_4-Net-(R14-Pad2): R14#5.2 U2#6.20
Board_4-Net-(R17-Pad1): R17#7.1 R18#5.2 U2#6.17
Board_4-Net-(R21-Pad2): R21#6.2 U5#2.9
Board_4-Net-(R23-Pad2): R23#7.2 U5#2.11
Board_4-Net-(S1-Pad3): S1#6.3 U3#4.14
Board_4-unconnected-(J4-Pad4): J4#5.4
Board_4-unconnected-(S1-Pad1): S1#6.1
Board_4-unconnected-(U1-Pad4): U1#3.4
Board_4-unconnected-(U1-Pad5): U1#3.5
Board_4-unconnected-(U1-Pad7): U1#3.7
Board_4-unconnected-(U1-Pad17): U1#3.17
Board_4-unconnected-(U1-Pad18): U1#3.18
Board_4-unconnected-(U1-Pad19): U1#3.19
Board_4-unconnected-(U1-Pad20): U1#3.20
Board_4-unconnected-(U1-Pad21): U1#3.21
Board_4-unconnected-(U1-Pad22): U1#3.22
Board_4-unconnected-(U1-Pad26): U1#3.26
Board_4-unconnected-(U1-Pad27): U1#3.27
Board_4-unconnected-(U1-Pad28): U1#3.28
Board_4-unconnected-(U1-Pad29): U1#3.29
Board_4-unconnected-(U1-Pad32): U1#3.32
Board_4-unconnected-(U1-Pad37): U1#3.37
Board_4-unconnected-(U2-Pad7): U2#6.7
Board_4-unconnected-(U2-Pad9): U2#6.9
Board_4-unconnected-(U2-Pad10): U2#6.10
Board_4-unconnected-(U2-Pad11): U2#6.11
Board_4-unconnected-(U2-Pad12): U2#6.12
Board_4-unconnected-(U2-Pad25): U2#6.25
Board_4-unconnected-(U3-Pad7): U3#4.7
Board_4-unconnected-(U3-Pad8): U3#4.8
Board_4-unconnected-(U3-Pad9): U3#4.9
Board_4-unconnected-(U3-Pad10): U3#4.10
Board_4-unconnected-(U4-Pad2): U4#4.2
Board_4-unconnected-(U4-Pad3): U4#4.3
Board_4-unconnected-(U4-Pad5): U4#4.5
Board_4-unconnected-(U5-Pad1): U5#2.1
Board_4-unconnected-(U5-Pad2): U5#2.2
Board_4-unconnected-(U5-Pad10): U5#2.10
Board_4-unconnected-(U5-Pad12): U5#2.12
Board_4-unconnected-(U5-Pad13): U5#2.13
Board_4-unconnected-(U5-Pad14): U5#2.14
Board_4-unconnected-(U5-Pad15): U5#2.15
Board_4-unconnected-(U5-Pad16): U5#2.16
Board_4-unconnected-(U5-Pad17): U5#2.17
Board_4-unconnected-(U5-Pad18): U5#2.18
Board_4-unconnected-(U5-Pad19): U5#2.19
Board_4-unconnected-(U5-Pad20): U5#2.20
Board_4-unconnected-(U5-Pad21): U5#2.21
Board_4-unconnected-(U5-Pad22): U5#2.22
Board_4-unconnected-(U5-Pad23): U5#2.23
Board_4-unconnected-(U5-Pad27): U5#2.27
Board_4-unconnected-(U7-Pad4): U7#6.4
Board_4-unconnected-(U7-Pad6): U7#6.6
Board_5-/A1: J1#3.1 U2#5.24
Board_5-/A2: J1#3.2 U2#5.21
Board_5-/B1: J1#3.3 U2#5.26
Board_5-/B2: J1#3.4 U2#5.1
Board_5-/BRA: R16#3.2 U2#5.23
Board_5-/BRB: R15#3.2 U2#5.27
Board_5-/D+: J4#8.3 U5#9.4 U7#5.1
Board_5-/D-: J4#8.2 U5#9.5 U7#5.3
Board_5-/DriverDIR: U1#7.9 U2#5.19
Board_5-/DriverEN: U1#7.12 U2#5.2
Board_5-/DriverSTEP: U1#7.10 U2#5.16
Board_5-/DTR: Q1#5.2 R8#6.1 U5#9.28
Board_5-/EN: C2.1 C15#9.1 C16#2.1 Q2#4.3 R3.2 SW2#8.2 U1#7.3
Board_5-/IO0_BOOT: C13#9.1 Q1#5.3 SW1#9.1 U1#7.25
Board_5-/R1OUT: U1#7.36 U3#5.12
Board_5-/REG_5V: C32#8.2 D7#4.1 U6#5.3
Board_5-/RS232IN1: J3#6.8 U3#5.13
Board_5-/RS232OUT1: J3#6.7 S1#8.2
Board_5-/RTS: Q2#4.2 R7#6.2 U5#9.24
Board_5-/RXD0: R5#7.2 U5#9.26
Board_5-/ShiftDown: D2#3.1 J3#6.3 R11#9.2
Board_5-/ShiftUp: D3#7.1 J3#6.4 R10#4.2
Board_5-/T1IN: U1#7.33 U3#5.11
Board_5-/TMCUART1: R6#7.1 U1#7.30 U2#5.14
Board_5-/TMCUART2: R6#7.2 U1#7.31
Board_5-/TXD0: R4#7.2 U5#9.25
Board_5-/VDC: C1#9.1 C3#3.1 C4#4.1 C5#8.1 C7#6.1 C9#4.1 C14#6.1 C18#3.1 C19#3.1 J3#6.1 U2#5.22 U2#5.28 U4#8.7
Board_5-GND: C1#9.2 C2.2 C3#3.2 C4#4.2 C5#8.2 C7#6.2 C8#3.2 C9#4.2 C10#6.2 C11.2 C12#2.2 C13#9.2 C15#9.2 C16#2.2 C18#3.2 C19#3.2 C21#4.2 C22.2 C23#7.2 C24#6.1 C25#7.2 C26#5.2 C27#8.2 C29#6.2 C30#4.2 C32#8.1 D8#9.2 D9#2.1 J3#6.2 J3#6.5 J3#6.6 J4#8.5 J4#8.SH R2#5.1 R9#8.1 R14#4.1 R15#3.1 R16#3.1 R17#3.2 R20.2 R23.1 SW1#9.2 SW2#8.1 U1#7.1 U1#7.15 U1#7.38 U1#7.39 U2#5.3 U2#5.13 U2#5.18 U2#5.29 U3#5.15 U4#8.6 U4#8.9 U5#9.3 U5#9.29 U6#5.1 U7#5.2